# Altium PCB kunkun.PcbDoc (part 6 of 8)
Units mil, origin at the board's own origin, x right, y up, seen from the top; angles counter-clockwise.
Board outline 11417.32 x 6911.54 mil, 2 copper layers (Top Layer, Bottom Layer), stack 28 mil thick; 1172 components, 690 nets, 3402 pads, 1297 vias.
Unrouted connection lines stored in the file: 210.
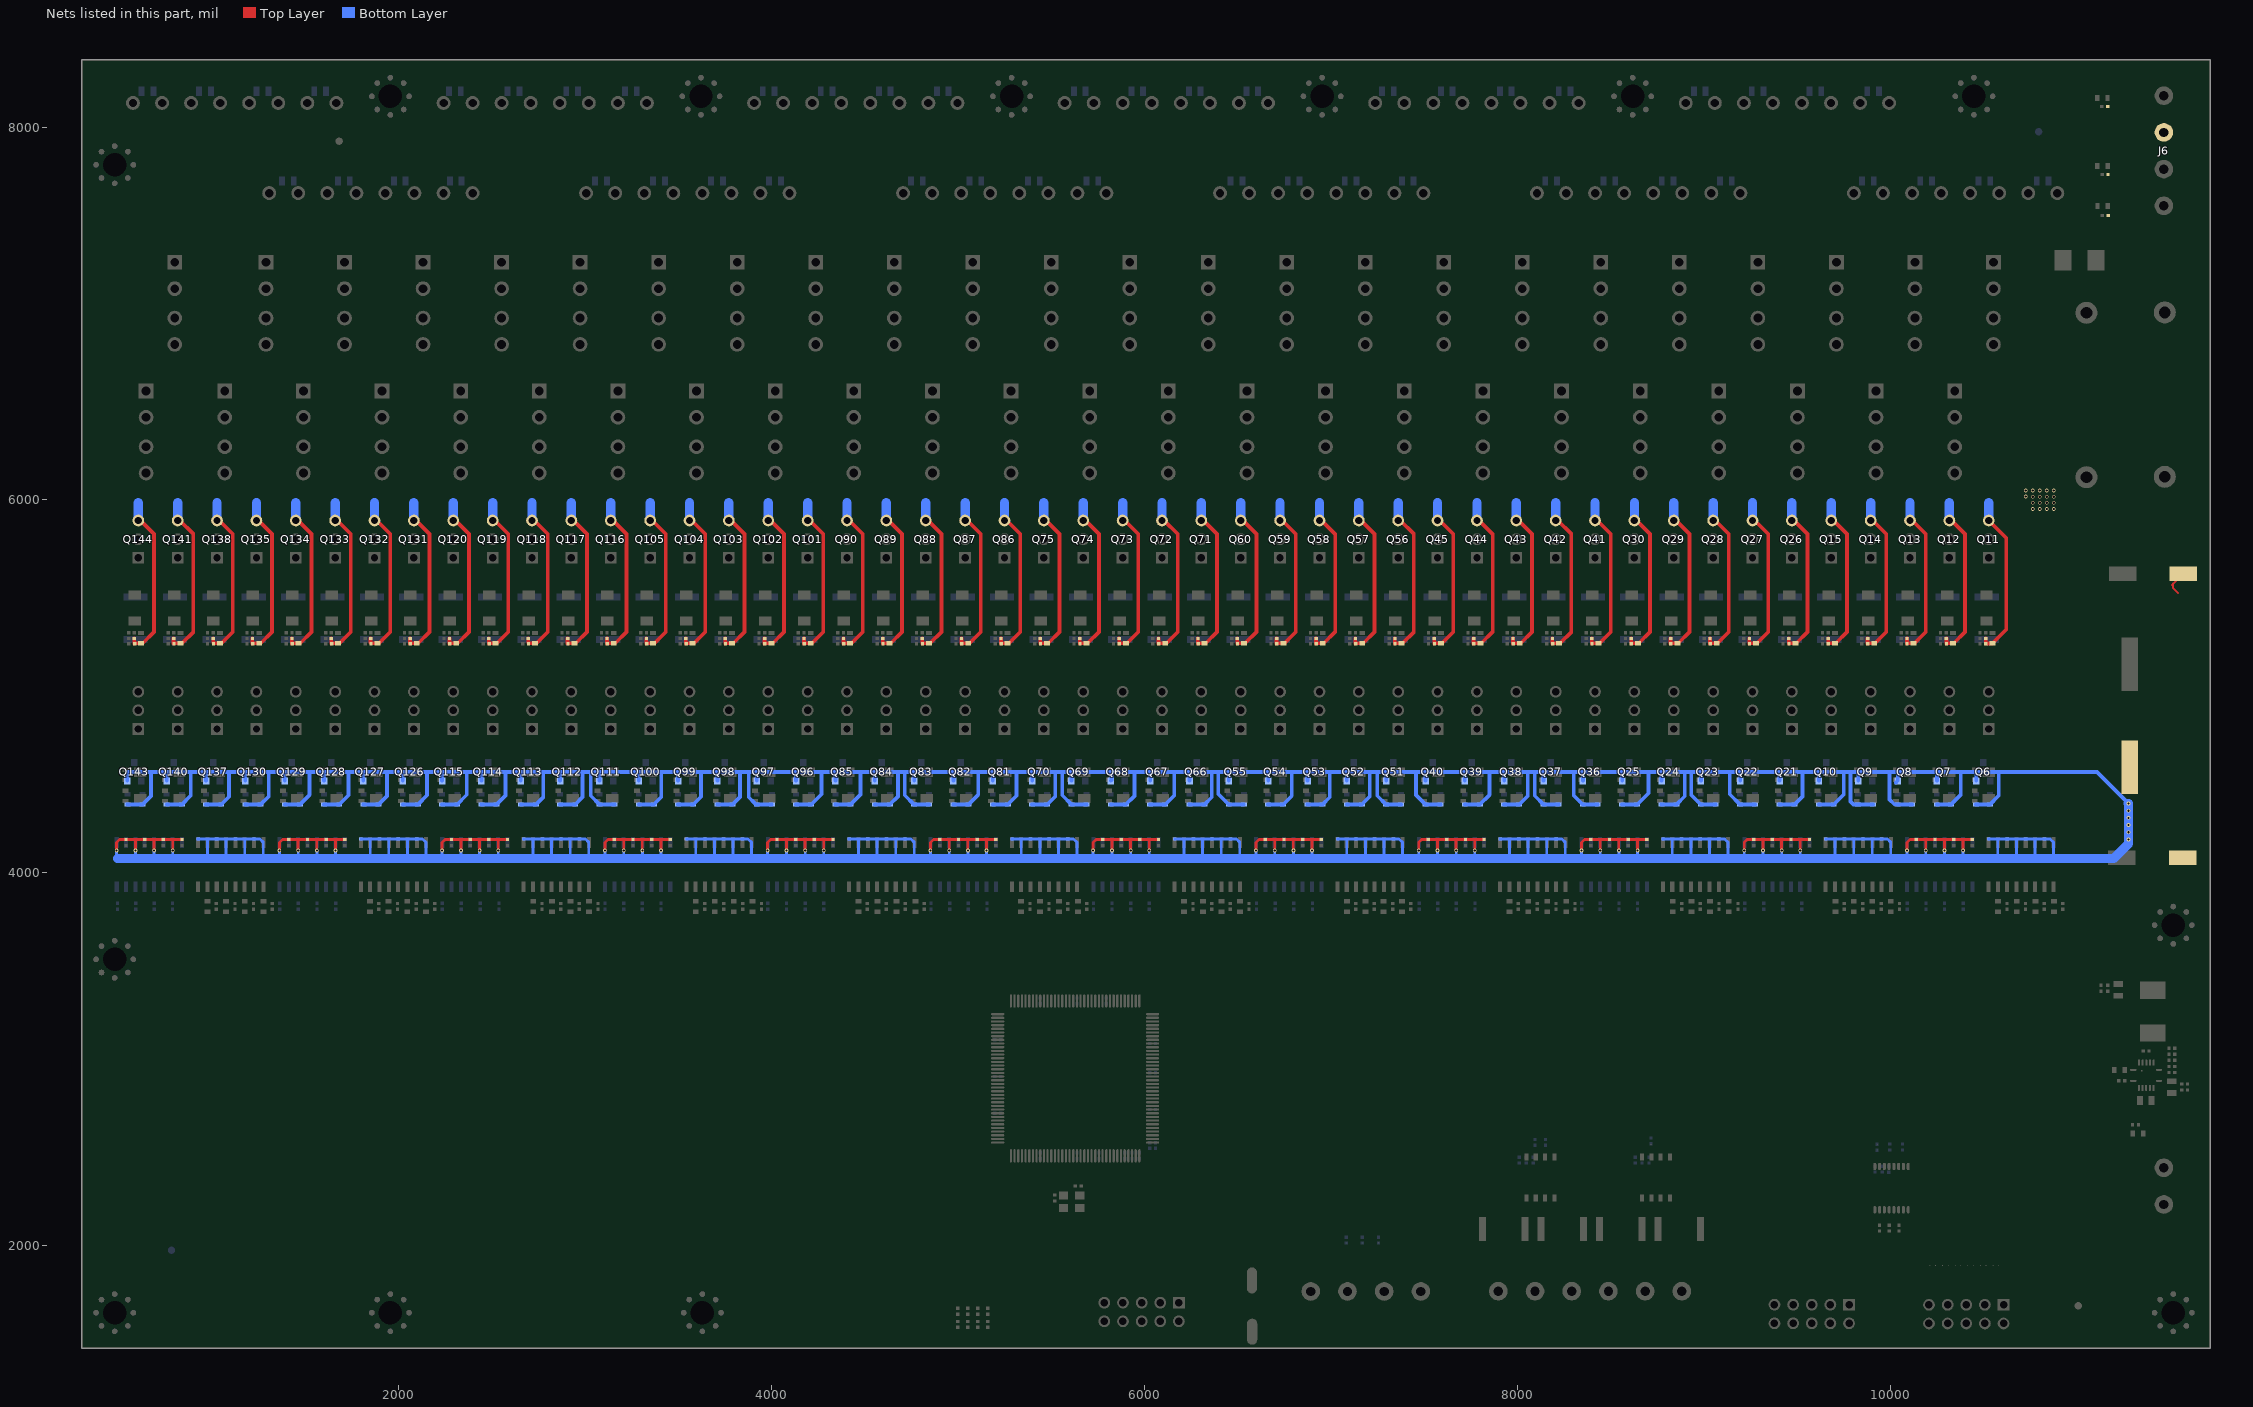
[diagram p6: the nets of this part, all layers, seen from the top]

## Via types
v1: diameter 19.68, hole 11.81, Top Layer to Bottom Layer, tented both sides, 1297 vias

## Nets (pads, with @x,y where several pads share a name; then routed paths per layer and width w, separated by ;. In a path a pad name is that pad's centre, name@x,y a point inside that pad or via, vN(x,y) a via of type N, cw(c..) or ccw(c..) an arc to the next point about the centre after c; other vN are vias at no path point) (continued)
PGND: C32.1 C33.1 C34.1 C35.1 C36.1 C37.1 C38.1 C39.1 C40.1 C41.1 C42.1 C43.1 C44.1 C45.1 C46.1 C47.1 C48.1 C49.1 C50.1 C51.1 C52.1 C53.1 C54.1 C55.1 C56.1 C57.1 C58.1 C59.1 C60.1 C61.1 C62.1 C63.1 C64.1 C65.1 C66.1 C67.1 C68.1 C69.1 C70.1 C71.1 C72.1 C73.1 C74.1 C75.1 C76.1 C77.1 C78.1 C79.1 C80.1 C81.1 C82.1 C83.1 C84.1 C85.1 C86.1 C87.1 C88.1 C89.1 C90.1 C91.1 C92.1 C93.1 C94.1 C95.1 C96.1 C97.1 C98.1 C99.1 C100.1 C101.1 C102.1 C103.1 C104.1 C105.1 C106.1 C107.1 C108.1 C109.1 C110.1 C111.1 C112.1 C113.1 C114.1 C115.1 C116.1 C117.1 C118.1 C119.1 C120.1 C121.1 C122.1 C123.1 C124.1 C125.1 C126.1 C127.1 C128.2 C129.2 C130.2 C179.1 C180.1 C181.1 C182.1 C183.1 C184.1 C185.1 C186.1 C187.1 C188.1 C189.1 C190.1 C191.1 C192.1 C193.1 C194.1 C195.1 C196.1 C197.1 C198.1 C199.1 C200.1 C201.1 C202.1 C203.1 C204.1 C205.1 C206.1 C207.1 C208.1 C209.1 C210.1 C211.1 C212.1 C213.1 C214.1 C215.1 C216.1 C217.1 C218.1 C219.1 C220.1 C221.1 C222.1 C223.1 C224.1 C225.1 C226.1 C227.1 C228.1 C229.1 C230.1 C231.1 C232.1 C233.1 C234.1 C235.1 C236.1 C237.1 C238.1 C239.1 C240.1 C241.1 C242.1 C243.1 C244.1 C245.1 C246.1 C247.1 C248.1 C249.1 C250.1 C251.1 C252.1 C253.1 C254.1 C255.1 C256.1 C257.1 C258.1 C259.1 C260.1 C261.1 C262.1 C263.1 C264.1 C265.1 C266.1 C267.1 C268.1 C269.1 C270.1 C271.1 C272.1 C273.1 C274.1 J6.3 Q6.3 Q7.3 Q8.3 Q9.3 Q10.3 Q11.3 Q12.3 Q13.3 Q14.3 Q15.3 Q21.3 Q22.3 Q23.3 Q24.3 Q25.3 Q26.3 Q27.3 Q28.3 Q29.3 Q30.3 Q36.3 Q37.3 Q38.3 Q39.3 Q40.3 Q41.3 Q42.3 Q43.3 Q44.3 Q45.3 Q51.3 Q52.3 Q53.3 Q54.3 Q55.3 Q56.3 Q57.3 Q58.3 Q59.3 Q60.3 Q66.3 Q67.3 Q68.3 Q69.3 Q70.3 Q71.3 Q72.3 Q73.3 Q74.3 Q75.3 Q81.3 Q82.3 Q83.3 Q84.3 Q85.3 Q86.3 Q87.3 Q88.3 Q89.3 Q90.3 Q96.3 Q97.3 Q98.3 Q99.3 Q100.3 Q101.3 Q102.3 Q103.3 Q104.3 Q105.3 Q111.3 Q112.3 Q113.3 Q114.3 Q115.3 Q116.3 Q117.3 Q118.3 Q119.3 Q120.3 Q126.3 Q127.3 Q128.3 Q129.3 Q130.3 Q131.3 Q132.3 Q133.3 Q134.3 Q135.3 Q137.3 Q138.3 Q140.3 Q141.3 Q143.3 Q144.3 R133.2 R134.2 R135.2 R151.1 R152.1 R153.1 R154.1 R155.1 R161.1 R162.1 R163.1 R164.1 R165.1 R166.2 R167.2 R168.2 R169.2 R170.2 R186.1 R187.1 R188.1 R189.1 R190.1 R196.1 R197.1 R198.1 R199.1 R200.1 R201.2 R202.2 R203.2 R204.2 R205.2 R221.1 R222.1 R223.1 R224.1 R225.1 R231.1 R232.1 R233.1 R234.1 R235.1 R236.2 R237.2 R238.2 R239.2 R240.2 R256.1 R257.1 R258.1 R259.1 R260.1 R266.1 R267.1 R268.1 R269.1 R270.1 R271.2 R272.2 R273.2 R274.2 R275.2 R291.1 R292.1 R293.1 R294.1 R295.1 R301.1 R302.1 R303.1 R304.1 R305.1 R306.2 R307.2 R308.2 R309.2 R310.2 R326.1 R327.1 R328.1 R329.1 R330.1 R336.1 R337.1 R338.1 R339.1 R340.1 R341.2 R342.2 R343.2 R344.2 R345.2 R361.1 R362.1 R363.1 R364.1 R365.1 R371.1 R372.1 R373.1 R374.1 R375.1 R376.2 R377.2 R378.2 R379.2 R380.2 R396.1 R397.1 R398.1 R399.1 R400.1 R406.1 R407.1 R408.1 R409.1 R410.1 R411.2 R412.2 R413.2 R414.2 R415.2 R431.1 R432.1 R433.1 R434.1 R435.1 R441.1 R442.1 R443.1 R444.1 R445.1 R446.2 R447.2 R448.2 R449.2 R450.2 R454.1 R456.1 R457.2 R461.1 R463.1 R464.2 R468.1 R470.1 R471.2 | length 97183.4
  Top Layer w10: R166.2@10512.89,5229.84 R166.2@10513.25,5229.47 ; C184.1@10546.78,5229.47 C184.1@10548.64,5231.33 ; C129.2@11280.95,4565.42 C129.2@11286.82,4571.28 ; 11511.35,5542.82 C130.2@11553.49,5584.96 ; 11517.68,5551.57 11517.68,5526.99 11544.71,5499.95
  Top Layer w15: v1(487.4,4119.42) 487.4,4162.07 503.89,4178.55 C127.1@538.14,4178.55 588.14,4178.55 ; v1(588.68,4119.42) 588.14,4119.96 588.14,4178.55 ; v1(688.68,4119.42) 688.14,4119.96 688.14,4178.55 ; v1(788.68,4119.42) 788.14,4119.96 788.14,4178.55 ; C125.1@838.14,4178.55 788.14,4178.55 ; v1(1360.37,4119.42) 1360.37,4162.07 1376.85,4178.55 C119.1@1411.11,4178.55 1461.11,4178.55 ; v1(1461.64,4119.42) 1461.11,4119.96 1461.11,4178.55 ; v1(1561.64,4119.42) 1561.11,4119.96 1561.11,4178.55 ; v1(1661.64,4119.42) 1661.11,4119.96 1661.11,4178.55 ; C116.1@1711.11,4178.55 1661.11,4178.55 ; v1(2233.33,4119.42) 2233.33,4162.07 2249.82,4178.55 C111.1@2284.07,4178.55 2334.07,4178.55 ; v1(2334.61,4119.42) 2334.07,4119.96 2334.07,4178.55 ; v1(2434.61,4119.42) 2434.07,4119.96 2434.07,4178.55 ; v1(2534.61,4119.42) 2534.07,4119.96 2534.07,4178.55 ; C108.1@2584.07,4178.55 2534.07,4178.55 ; v1(3106.29,4119.42) 3106.29,4162.07 3122.78,4178.55 C101.1@3157.03,4178.55 3207.03,4178.55 ; v1(3207.57,4119.42) 3207.03,4119.96 3207.03,4178.55 ; v1(3307.57,4119.42) 3307.03,4119.96 3307.03,4178.55 ; v1(3407.57,4119.42) 3407.03,4119.96 3407.03,4178.55 ; C102.1@3457.03,4178.55 3407.03,4178.55 ; v1(3979.26,4119.42) 3979.26,4162.07 3995.74,4178.55 C93.1@4030,4178.55 4080,4178.55 ; v1(4080.53,4119.42) 4080,4119.96 4080,4178.55 ; v1(4180.53,4119.42) 4180,4119.96 4180,4178.55 ; v1(4280.53,4119.42) 4280,4119.96 4280,4178.55 ; C94.1@4330,4178.55 4280,4178.55 ; v1(4852.22,4119.42) 4852.22,4162.07 4868.71,4178.55 C85.1@4902.96,4178.55 4952.96,4178.55 ; v1(4953.5,4119.42) 4952.96,4119.96 4952.96,4178.55 ; v1(5053.5,4119.42) 5052.96,4119.96 5052.96,4178.55 ; v1(5153.5,4119.42) 5152.96,4119.96 5152.96,4178.55 ; C86.1@5202.96,4178.55 5152.96,4178.55 ; v1(5725.18,4119.42) 5725.18,4162.07 5741.67,4178.55 C77.1@5775.92,4178.55 5825.92,4178.55 ; v1(5826.46,4119.42) 5825.92,4119.96 5825.92,4178.55 ; v1(5926.46,4119.42) 5925.92,4119.96 5925.92,4178.55 ; v1(6026.46,4119.42) 6025.92,4119.96 6025.92,4178.55 ; C78.1@6075.92,4178.55 6025.92,4178.55 ; v1(6598.15,4119.42) 6598.15,4162.07 6614.63,4178.55 C69.1@6648.89,4178.55 6698.89,4178.55 ; v1(6699.42,4119.42) 6698.89,4119.96 6698.89,4178.55 ; v1(6799.42,4119.42) 6798.89,4119.96 6798.89,4178.55 ; v1(6899.42,4119.42) 6898.89,4119.96 6898.89,4178.55 ; C70.1@6948.89,4178.55 6898.89,4178.55 ; v1(7471.11,4119.42) 7471.11,4162.07 7487.6,4178.55 C61.1@7521.85,4178.55 7571.85,4178.55 ; v1(7572.39,4119.42) 7571.85,4119.96 7571.85,4178.55 ; v1(7672.39,4119.42) 7671.85,4119.96 7671.85,4178.55 ; v1(7772.39,4119.42) 7771.85,4119.96 7771.85,4178.55 ; C62.1@7821.85,4178.55 7771.85,4178.55 ; v1(8344.07,4119.42) 8344.07,4162.07 8360.56,4178.55 C53.1@8394.81,4178.55 8444.81,4178.55 ; v1(8445.35,4119.42) 8444.81,4119.96 8444.81,4178.55 ; v1(8545.35,4119.42) 8544.81,4119.96 8544.81,4178.55 ; v1(8645.35,4119.42) 8644.81,4119.96 8644.81,4178.55 ; C54.1@8694.81,4178.55 8644.81,4178.55 ; v1(9217.04,4119.42) 9217.04,4162.07 9233.52,4178.55 C45.1@9267.78,4178.55 9317.78,4178.55 ; v1(9318.31,4119.42) 9317.78,4119.96 9317.78,4178.55 ; v1(9418.31,4119.42) 9417.78,4119.96 9417.78,4178.55 ; v1(9518.31,4119.42) 9517.78,4119.96 9517.78,4178.55 ; C46.1@9567.78,4178.55 9517.78,4178.55 ; v1(10090,4119.42) 10090,4162.07 10106.49,4178.55 C36.1@10140.74,4178.55 10190.74,4178.55 ; v1(10191.28,4119.42) 10190.74,4119.96 10190.74,4178.55 ; v1(10291.28,4119.42) 10290.74,4119.96 10290.74,4178.55 ; v1(10391.28,4119.42) 10390.74,4119.96 10390.74,4178.55 ; C38.1@10440.74,4178.55 10390.74,4178.55 ; 588.14,4178.55 C126.1@638.14,4178.55 688.14,4178.55 ; 688.14,4178.55 C124.1@738.14,4178.55 788.14,4178.55 ; 1461.11,4178.55 C118.1@1511.11,4178.55 1561.11,4178.55 ; 1561.11,4178.55 C117.1@1611.11,4178.55 1661.11,4178.55 ; 2334.07,4178.55 C110.1@2384.07,4178.55 2434.07,4178.55 ; 2434.07,4178.55 C109.1@2484.07,4178.55 2534.07,4178.55 ; 3207.03,4178.55 C100.1@3257.03,4178.55 3307.03,4178.55 ; 3307.03,4178.55 C103.1@3357.03,4178.55 3407.03,4178.55 ; 4080,4178.55 C92.1@4130,4178.55 4180,4178.55 ; 4180,4178.55 C95.1@4230,4178.55 4280,4178.55 ; 4952.96,4178.55 C84.1@5002.96,4178.55 5052.96,4178.55 ; 5052.96,4178.55 C87.1@5102.96,4178.55 5152.96,4178.55 ; 5825.92,4178.55 C76.1@5875.92,4178.55 5925.92,4178.55 ; 5925.92,4178.55 C79.1@5975.92,4178.55 6025.92,4178.55 ; 6698.89,4178.55 C68.1@6748.89,4178.55 6798.89,4178.55 ; 6798.89,4178.55 C71.1@6848.89,4178.55 6898.89,4178.55 ; 7571.85,4178.55 C60.1@7621.85,4178.55 7671.85,4178.55 ; 7671.85,4178.55 C63.1@7721.85,4178.55 7771.85,4178.55 ; 8444.81,4178.55 C52.1@8494.81,4178.55 8544.81,4178.55 ; 8544.81,4178.55 C55.1@8594.81,4178.55 8644.81,4178.55 ; 9317.78,4178.55 C44.1@9367.78,4178.55 9417.78,4178.55 ; 9417.78,4178.55 C47.1@9467.78,4178.55 9517.78,4178.55 ; 10190.74,4178.55 C37.1@10240.74,4178.55 10290.74,4178.55 ; 10290.74,4178.55 C39.1@10340.74,4178.55 10390.74,4178.55
  Top Layer w20: R471.2@581.68,5230.63 R470.1@581.68,5256.97 ; R471.2@584.7,5231.33 C274.1@617.55,5231.33 ; Q144.3@615.48,5889.64 687.99,5817.12 687.99,5291.85 C274.1@627.47,5231.33 ; R464.2@792.96,5230.6 R463.1@792.96,5256.97 ; R464.2@793.8,5231.33 C272.1@827.31,5231.33 ; Q141.3@826.65,5889.64 899.16,5817.12 899.16,5291.85 C272.1@838.64,5231.33 ; R456.1@1005.24,5256.97 1005.24,5234.17 1008.08,5231.33 C270.1@1040.21,5231.33 ; Q138.3@1037.82,5889.64 1110.33,5817.12 1110.33,5291.85 C270.1@1049.81,5231.33 ; R450.2@1215.62,5230.6 R445.1@1215.62,5256.97 ; R450.2@1216.47,5231.33 C268.1@1249.97,5231.33 ; Q135.3@1248.99,5889.64 1321.5,5817.12 1321.5,5291.85 C268.1@1260.98,5231.33 ; R449.2@1427,5230.63 R444.1@1427,5256.97 ; R449.2@1430.03,5231.33 C267.1@1462.87,5231.33 ; Q134.3@1460.16,5889.64 1532.67,5817.12 1532.67,5291.85 C267.1@1472.15,5231.33 ; R448.2@1638.28,5230.6 R443.1@1638.28,5256.97 ; R448.2@1639.13,5231.33 C266.1@1672.63,5231.33 ; Q133.3@1671.33,5889.64 1743.84,5817.12 1743.84,5291.85 C266.1@1683.32,5231.33 ; R442.1@1849.67,5256.97 1849.67,5234.75 1853.08,5231.33 C265.1@1885.54,5231.33 ; Q132.3@1882.5,5889.64 1955.01,5817.12 1955.01,5291.85 C265.1@1894.49,5231.33 ; R446.2@2060.95,5230.6 R441.1@2060.95,5256.97 ; R446.2@2061.79,5231.33 C264.1@2095.29,5231.33 ; Q131.3@2093.67,5889.64 2166.18,5817.12 2166.18,5291.85 C264.1@2105.66,5231.33 ; R415.2@2272.33,5230.63 R410.1@2272.33,5256.97 ; R415.2@2275.35,5231.33 C258.1@2308.2,5231.33 ; Q120.3@2304.84,5889.64 2377.35,5817.12 2377.35,5291.85 C258.1@2316.83,5231.33 ; R414.2@2483.61,5230.6 R409.1@2483.61,5256.97 ; R414.2@2484.45,5231.33 C257.1@2517.96,5231.33 ; Q119.3@2516.01,5889.64 2588.52,5817.12 2588.52,5291.85 C257.1@2528,5231.33 ; R408.1@2694.99,5256.97 2694.99,5234.43 2698.09,5231.33 C256.1@2730.86,5231.33 ; Q118.3@2727.18,5889.64 2799.69,5817.12 2799.69,5291.85 C256.1@2739.17,5231.33 ; R412.2@2906.27,5230.6 R407.1@2906.27,5256.97 ; R412.2@2907.11,5231.33 C255.1@2940.62,5231.33 ; Q117.3@2938.35,5889.64 3010.86,5817.12 3010.86,5291.85 C255.1@2950.34,5231.33 ; R411.2@3117.65,5230.63 R406.1@3117.65,5256.97 ; R411.2@3120.67,5231.33 C254.1@3153.52,5231.33 ; Q116.3@3149.52,5889.64 3222.03,5817.12 3222.03,5291.85 C254.1@3161.51,5231.33 ; R380.2@3328.93,5230.6 R375.1@3328.93,5256.97 ; R380.2@3329.78,5231.33 C248.1@3363.28,5231.33 ; Q105.3@3360.69,5889.64 3433.2,5817.12 3433.2,5291.85 C248.1@3372.68,5231.33 ; R379.2@3540.31,5230.63 R374.1@3540.31,5256.97 ; R379.2@3543.34,5231.33 C247.1@3576.18,5231.33 ; Q104.3@3571.86,5889.64 3644.37,5817.12 3644.37,5291.85 C247.1@3583.85,5231.33 ; R378.2@3751.59,5230.6 R373.1@3751.59,5256.97 ; R378.2@3752.44,5231.33 C246.1@3785.94,5231.33 ; Q103.3@3783.03,5889.64 3855.54,5817.12 3855.54,5291.85 C246.1@3795.02,5231.33 ; R377.2@3962.98,5230.63 R372.1@3962.98,5256.97 ; R377.2@3966,5231.33 C245.1@3998.85,5231.33 ; Q102.3@3994.2,5889.64 4066.71,5817.12 4066.71,5291.85 C245.1@4006.19,5231.33 ; R376.2@4174.26,5230.6 R371.1@4174.26,5256.97 ; R376.2@4175.1,5231.33 C244.1@4208.6,5231.33 ; Q101.3@4205.37,5889.64 4277.88,5817.12 4277.88,5291.85 C244.1@4217.36,5231.33 ; R345.2@4385.64,5230.63 R340.1@4385.64,5256.97 ; R345.2@4388.66,5231.33 C238.1@4421.51,5231.33 ; Q90.3@4416.54,5889.64 4489.05,5817.12 4489.05,5291.85 C238.1@4428.53,5231.33 ; R344.2@4596.92,5230.6 R339.1@4596.92,5256.97 ; R344.2@4597.76,5231.33 C237.1@4631.27,5231.33 ; Q89.3@4627.71,5889.64 4700.22,5817.12 4700.22,5291.85 C237.1@4639.71,5231.33 ; R343.2@4808.3,5230.63 R338.1@4808.3,5256.92 ; R343.2@4809.46,5229.47 4811.32,5231.33 C236.1@4844.17,5231.33 ; Q88.3@4838.88,5889.64 4911.39,5817.12 4911.39,5291.85 C236.1@4850.88,5231.33 ; R342.2@5019.58,5230.6 R337.1@5019.58,5256.92 ; R342.2@5020.42,5231.33 C235.1@5053.93,5231.33 ; Q87.3@5050.05,5889.64 5122.56,5817.12 5122.56,5291.85 C235.1@5062.05,5231.33 ; R341.2@5230.86,5230.58 R336.1@5230.86,5256.97 ; R341.2@5231.76,5231.33 C234.1@5265.26,5231.33 ; Q86.3@5261.22,5889.64 5333.73,5817.12 5333.73,5291.85 C234.1@5273.22,5231.33 ; R310.2@5442.14,5230.55 R305.1@5442.14,5256.97 ; R310.2@5443.09,5231.33 C228.1@5476.59,5231.33 ; Q75.3@5472.39,5889.64 5544.9,5817.12 5544.9,5291.85 C228.1@5484.39,5231.33 ; R309.2@5653.42,5230.52 R304.1@5653.42,5256.97 ; R309.2@5654.42,5231.33 C227.1@5687.92,5231.33 ; Q74.3@5683.56,5889.64 5756.07,5817.12 5756.07,5291.85 C227.1@5695.56,5231.33 ; R303.1@5863.5,5256.97 R303.1@5864.71,5256.97 ; R308.2@5864.71,5230.49 R303.1@5864.71,5256.97 ; R303.1@5865.85,5256.97 R303.1@5864.71,5256.97 ; R308.2@5866.86,5231.33 C226.1@5899.25,5231.33 ; Q73.3@5894.73,5889.64 5967.24,5817.12 5967.24,5291.85 C226.1@5906.73,5231.33 ; R307.2@6075.99,5230.46 R302.1@6075.99,5256.97 ; R307.2@6077.08,5231.33 C225.1@6110.58,5231.33 ; Q72.3@6105.9,5889.64 6178.41,5817.12 6178.41,5291.85 C225.1@6117.9,5231.33 ; R306.2@6286.16,5229.86 R301.1@6286.16,5256.97 ; R306.2@6288.41,5231.33 C224.1@6321.91,5231.33 ; Q71.3@6317.07,5889.64 6389.58,5817.12 6389.58,5291.85 C224.1@6329.07,5231.33 ; R275.2@6497.49,5229.86 R270.1@6497.49,5256.97 ; R275.2@6499.74,5231.33 C218.1@6533.24,5231.33 ; Q60.3@6528.24,5889.64 6600.75,5817.12 6600.75,5291.85 C218.1@6540.24,5231.33 ; R274.2@6708.82,5229.86 R269.1@6708.82,5256.97 ; R274.2@6711.07,5231.33 C217.1@6744.58,5231.33 ; Q59.3@6739.41,5889.64 6811.93,5817.12 6811.93,5291.85 C217.1@6751.41,5231.33 ; R273.2@6920.15,5229.86 R268.1@6920.15,5256.97 ; R273.2@6922.4,5231.33 C216.1@6955.91,5231.33 ; Q58.3@6950.58,5889.64 7023.1,5817.12 7023.1,5291.85 C216.1@6962.58,5231.33 ; R272.2@7131.48,5229.86 R267.1@7131.48,5256.97 ; R272.2@7133.73,5231.33 C215.1@7167.24,5231.33 ; Q57.3@7161.75,5889.64 7234.27,5817.12 7234.27,5291.85 C215.1@7173.75,5231.33 ; R271.2@7342.81,5229.86 R266.1@7342.81,5256.97 ; R271.2@7345.07,5231.33 C214.1@7378.57,5231.33 ; Q56.3@7372.92,5889.64 7445.44,5817.12 7445.44,5291.85 C214.1@7384.92,5231.33 ; R240.2@7554.14,5229.86 R235.1@7554.14,5256.97 ; R240.2@7556.4,5231.33 C208.1@7589.9,5231.33 ; Q45.3@7584.09,5889.64 7656.61,5817.12 7656.61,5291.85 C208.1@7596.09,5231.33 ; R239.2@7765.48,5229.86 R234.1@7765.48,5256.97 ; R239.2@7767.73,5231.33 C207.1@7801.23,5231.33 ; Q44.3@7795.26,5889.64 7867.78,5817.12 7867.78,5291.85 C207.1@7807.26,5231.33 ; R238.2@7976.81,5229.86 R233.1@7976.81,5256.97 ; R238.2@7979.06,5231.33 C206.1@8012.56,5231.33 ; Q43.3@8006.43,5889.64 8078.95,5817.12 8078.95,5291.85 C206.1@8018.43,5231.33 ; R237.2@8188.14,5229.86 R232.1@8188.14,5256.97 ; R237.2@8190.39,5231.33 C205.1@8223.89,5231.33 ; Q42.3@8217.6,5889.64 8290.12,5817.12 8290.12,5291.85 C205.1@8229.6,5231.33 ; R236.2@8399.47,5229.86 R231.1@8399.47,5256.97 ; R236.2@8401.72,5231.33 C204.1@8435.22,5231.33 ; Q41.3@8428.77,5889.64 8501.29,5817.12 8501.29,5291.85 C204.1@8440.77,5231.33 ; R205.2@8610.8,5229.86 R200.1@8610.8,5256.97 ; R205.2@8613.05,5231.33 C198.1@8646.55,5231.33 ; Q30.3@8639.94,5889.64 8712.46,5817.12 8712.46,5291.85 C198.1@8651.94,5231.33 ; R204.2@8822.13,5229.86 R199.1@8822.13,5256.97 ; R204.2@8824.38,5231.33 C197.1@8857.89,5231.33 ; Q29.3@8851.11,5889.64 8923.63,5817.12 8923.63,5291.85 C197.1@8863.11,5231.33 ; R203.2@9033.46,5229.86 R198.1@9033.46,5256.97 ; R203.2@9035.71,5231.33 C196.1@9069.22,5231.33 ; Q28.3@9062.28,5889.64 9134.8,5817.12 9134.8,5291.85 C196.1@9074.28,5231.33 ; R202.2@9244.79,5229.86 R197.1@9244.79,5256.97 ; R202.2@9247.04,5231.33 C195.1@9280.55,5231.33 ; Q27.3@9273.45,5889.64 9345.97,5817.12 9345.97,5291.85 C195.1@9285.45,5231.33 ; R201.2@9456.12,5229.86 R196.1@9456.12,5256.97 ; R201.2@9458.38,5231.33 C194.1@9491.88,5231.33 ; Q26.3@9484.62,5889.64 9557.14,5817.12 9557.14,5291.85 C194.1@9496.62,5231.33 ; R170.2@9667.45,5229.86 R165.1@9667.45,5256.97 ; R170.2@9669.71,5231.33 C188.1@9703.21,5231.33 ; Q15.3@9695.79,5889.64 9768.31,5817.12 9768.31,5291.85 C188.1@9707.79,5231.33 ; R169.2@9878.79,5229.86 R164.1@9878.79,5256.97 ; R169.2@9881.04,5231.33 C187.1@9914.54,5231.33 ; Q14.3@9906.96,5889.64 9979.48,5817.12 9979.48,5291.85 C187.1@9918.96,5231.33 ; R168.2@10090.12,5229.86 R163.1@10090.12,5256.97 ; R168.2@10092.37,5231.33 C186.1@10125.87,5231.33 ; Q13.3@10118.13,5889.64 10190.65,5817.12 10190.65,5291.85 C186.1@10130.13,5231.33 ; R162.1@10301.61,5256.97 10301.61,5229.86 R167.2@10302,5229.47 10303.86,5231.33 C185.1@10341.3,5231.33 ; Q12.3@10317.67,5889.64 10329.31,5889.64 10401.82,5817.12 10401.82,5291.85 C185.1@10341.3,5231.33 ; C185.1@10337.36,5231.33 C185.1@10341.3,5231.33 ; R166.2@10512.89,5229.84 R161.1@10512.89,5256.97 ; R166.2@10513.25,5229.47 C184.1@10546.78,5229.47 ; Q11.3@10528.84,5889.64 10622.84,5795.63 10622.84,5305.53 C184.1@10548.64,5231.33
  Top Layer w50: C129.2@11280.95,4454.26 C129.2@11280.95,4565.42
  Bottom Layer w15: 487.4,4081.89 v1(487.4,4119.42) ; 588.68,4078.87 v1(588.68,4119.42) ; 688.68,4078.79 v1(688.68,4119.42) ; 788.68,4080.62 v1(788.68,4119.42) ; C123.1@924.62,4181.8 974.62,4181.8 ; 974.62,4080.07 974.62,4181.8 ; 1074.62,4079.33 1074.62,4181.8 ; 1174.62,4078.12 1174.62,4181.8 ; 1273.65,4077.01 1273.65,4163.77 1255.63,4181.8 C120.1@1224.62,4181.8 1174.62,4181.8 ; 1360.37,4081.89 v1(1360.37,4119.42) ; 1461.64,4078.87 v1(1461.64,4119.42) ; 1561.64,4078.79 v1(1561.64,4119.42) ; 1661.64,4080.62 v1(1661.64,4119.42) ; C115.1@1797.59,4181.8 1847.59,4181.8 ; 1847.59,4080.07 1847.59,4181.8 ; 1947.59,4079.33 1947.59,4181.8 ; 2047.59,4078.12 2047.59,4181.8 ; 2146.62,4077.01 2146.62,4163.77 2128.59,4181.8 C112.1@2097.59,4181.8 2047.59,4181.8 ; 2233.33,4081.89 v1(2233.33,4119.42) ; 2334.61,4078.87 v1(2334.61,4119.42) ; 2434.61,4078.79 v1(2434.61,4119.42) ; 2534.61,4080.62 v1(2534.61,4119.42) ; C107.1@2670.55,4181.8 2720.55,4181.8 ; 2720.55,4080.07 2720.55,4181.8 ; 2820.55,4079.33 2820.55,4181.8 ; 2920.55,4078.12 2920.55,4181.8 ; 3019.58,4077.01 3019.58,4163.77 3001.56,4181.8 C104.1@2970.55,4181.8 2920.55,4181.8 ; 3106.29,4081.89 v1(3106.29,4119.42) ; 3207.57,4078.87 v1(3207.57,4119.42) ; 3307.57,4078.79 v1(3307.57,4119.42) ; 3407.57,4080.62 v1(3407.57,4119.42) ; C99.1@3543.51,4181.8 3593.51,4181.8 ; 3593.51,4080.07 3593.51,4181.8 ; 3693.51,4079.33 3693.51,4181.8 ; 3793.51,4078.12 3793.51,4181.8 ; 3892.54,4077.01 3892.54,4163.77 3874.52,4181.8 C96.1@3843.51,4181.8 3793.51,4181.8 ; 3979.26,4081.89 v1(3979.26,4119.42) ; 4080.53,4078.87 v1(4080.53,4119.42) ; 4180.53,4078.79 v1(4180.53,4119.42) ; 4280.53,4080.62 v1(4280.53,4119.42) ; C91.1@4416.48,4181.8 4466.48,4181.8 ; 4466.48,4080.07 4466.48,4181.8 ; 4566.48,4079.33 4566.48,4181.8 ; 4666.48,4078.12 4666.48,4181.8 ; 4765.51,4077.01 4765.51,4163.77 4747.48,4181.8 C88.1@4716.48,4181.8 4666.48,4181.8 ; 4852.22,4081.89 v1(4852.22,4119.42) ; 4953.5,4078.87 v1(4953.5,4119.42) ; 5053.5,4078.79 v1(5053.5,4119.42) ; 5153.5,4080.62 v1(5153.5,4119.42) ; C83.1@5289.44,4181.8 5339.44,4181.8 ; 5339.44,4080.07 5339.44,4181.8 ; 5439.44,4079.33 5439.44,4181.8 ; 5539.44,4078.12 5539.44,4181.8 ; 5638.47,4077.01 5638.47,4163.77 5620.45,4181.8 C80.1@5589.44,4181.8 5539.44,4181.8 ; 5725.18,4081.89 v1(5725.18,4119.42) ; 5826.46,4078.87 v1(5826.46,4119.42) ; 5926.46,4078.79 v1(5926.46,4119.42) ; 6026.46,4080.62 v1(6026.46,4119.42) ; C75.1@6162.4,4181.8 6212.4,4181.8 ; 6212.4,4080.07 6212.4,4181.8 ; 6312.4,4079.33 6312.4,4181.8 ; 6412.4,4078.12 6412.4,4181.8 ; 6511.44,4077.01 6511.44,4163.77 6493.41,4181.8 C72.1@6462.4,4181.8 6412.4,4181.8 ; 6598.15,4081.89 v1(6598.15,4119.42) ; 6699.42,4078.87 v1(6699.42,4119.42) ; 6799.42,4078.79 v1(6799.42,4119.42) ; 6899.42,4080.62 v1(6899.42,4119.42) ; C67.1@7035.37,4181.8 7085.37,4181.8 ; 7085.37,4080.07 7085.37,4181.8 ; 7185.37,4079.33 7185.37,4181.8 ; 7285.37,4078.12 7285.37,4181.8 ; 7384.4,4077.01 7384.4,4163.77 7366.37,4181.8 C64.1@7335.37,4181.8 7285.37,4181.8 ; 7471.11,4081.89 v1(7471.11,4119.42) ; 7572.39,4078.87 v1(7572.39,4119.42) ; 7672.39,4078.79 v1(7672.39,4119.42) ; 7772.39,4080.62 v1(7772.39,4119.42) ; C59.1@7908.33,4181.8 7958.33,4181.8 ; 7958.33,4080.07 7958.33,4181.8 ; 8058.33,4079.33 8058.33,4181.8 ; 8158.33,4078.12 8158.33,4181.8 ; 8257.36,4077.01 8257.36,4163.77 8239.34,4181.8 C56.1@8208.33,4181.8 8158.33,4181.8 ; 8344.07,4081.89 v1(8344.07,4119.42) ; 8445.35,4078.87 v1(8445.35,4119.42) ; 8545.35,4078.79 v1(8545.35,4119.42) ; 8645.35,4080.62 v1(8645.35,4119.42) ; C51.1@8781.29,4181.8 8831.29,4181.8 ; 8831.29,4080.07 8831.29,4181.8 ; 8931.29,4079.33 8931.29,4181.8 ; 9031.29,4078.12 9031.29,4181.8 ; 9130.33,4077.01 9130.33,4163.77 9112.3,4181.8 C48.1@9081.29,4181.8 9031.29,4181.8 ; 9217.04,4081.89 v1(9217.04,4119.42) ; 9318.31,4078.87 v1(9318.31,4119.42) ; 9418.31,4078.79 v1(9418.31,4119.42) ; 9518.31,4080.62 v1(9518.31,4119.42) ; C43.1@9654.26,4181.8 9704.26,4181.8 ; 9704.26,4080.07 9704.26,4181.8 ; 9804.26,4079.33 9804.26,4181.8 ; 9904.26,4078.12 9904.26,4181.8 ; 10003.29,4077.01 10003.29,4163.77 9985.26,4181.8 C40.1@9954.26,4181.8 9904.26,4181.8 ; 10085.12,4077.01 10090,4081.89 v1(10090,4119.42) ; 10189.42,4077.01 10191.28,4078.87 v1(10191.28,4119.42) ; 10251,4539.85 10251.55,4540.4 ; 10289.5,4077.01 10291.28,4078.79 v1(10291.28,4119.42) ; 10387.66,4077.01 10391.28,4080.62 v1(10391.28,4119.42) ; C35.1@10527.22,4181.8 10577.22,4181.8 ; 10574.15,4077.01 10577.22,4080.07 10577.22,4181.8 ; 10674.9,4077.01 10677.22,4079.33 10677.22,4181.8 ; 10776.11,4077.01 10777.22,4078.12 10777.22,4181.8 ; 10876.25,4077.01 10876.25,4163.77 10858.23,4181.8 C32.1@10827.22,4181.8 10777.22,4181.8 ; 974.62,4181.8 C122.1@1024.62,4181.8 1074.62,4181.8 ; 1074.62,4181.8 C121.1@1124.62,4181.8 1174.62,4181.8 ; 1847.59,4181.8 C114.1@1897.59,4181.8 1947.59,4181.8 ; 1947.59,4181.8 C113.1@1997.59,4181.8 2047.59,4181.8 ; 2720.55,4181.8 C106.1@2770.55,4181.8 2820.55,4181.8 ; 2820.55,4181.8 C105.1@2870.55,4181.8 2920.55,4181.8 ; 3593.51,4181.8 C98.1@3643.51,4181.8 3693.51,4181.8 ; 3693.51,4181.8 C97.1@3743.51,4181.8 3793.51,4181.8 ; 4466.48,4181.8 C90.1@4516.48,4181.8 4566.48,4181.8 ; 4566.48,4181.8 C89.1@4616.48,4181.8 4666.48,4181.8 ; 5339.44,4181.8 C82.1@5389.44,4181.8 5439.44,4181.8 ; 5439.44,4181.8 C81.1@5489.44,4181.8 5539.44,4181.8 ; 6212.4,4181.8 C74.1@6262.4,4181.8 6312.4,4181.8 ; 6312.4,4181.8 C73.1@6362.4,4181.8 6412.4,4181.8 ; 7085.37,4181.8 C66.1@7135.37,4181.8 7185.37,4181.8 ; 7185.37,4181.8 C65.1@7235.37,4181.8 7285.37,4181.8 ; 7958.33,4181.8 C58.1@8008.33,4181.8 8058.33,4181.8 ; 8058.33,4181.8 C57.1@8108.33,4181.8 8158.33,4181.8 ; 8831.29,4181.8 C50.1@8881.29,4181.8 8931.29,4181.8 ; 8931.29,4181.8 C49.1@8981.29,4181.8 9031.29,4181.8 ; 9704.26,4181.8 C42.1@9754.26,4181.8 9804.26,4181.8 ; 9804.26,4181.8 C41.1@9854.26,4181.8 9904.26,4181.8 ; 10577.22,4181.8 C34.1@10627.22,4181.8 10677.22,4181.8 ; 10677.22,4181.8 C33.1@10727.22,4181.8 10777.22,4181.8
  Bottom Layer w20: Q143.3@545,4493.59 545,4539.67 544.26,4540.4 672.07,4540.4 ; R468.1@545.07,4366.62 C273.1@626.57,4366.62 672.07,4412.12 672.07,4540.4 ; Q140.3@756,4493.59 756,4540.13 756.27,4540.4 ; R461.1@756.04,4366.62 C271.1@837.53,4366.62 885.24,4414.33 885.24,4540.4 ; R454.1@967.01,4366.62 C269.1@1048.49,4366.62 1090.41,4408.55 1090.41,4540.4 ; Q137.3@967,4493.59 967,4538.5 968.91,4540.4 ; R435.1@1177.98,4366.62 C263.1@1259.44,4366.62 1304.11,4411.29 1304.11,4540.4 ; Q130.3@1178,4493.59 1178,4539.15 1176.74,4540.4 ; R434.1@1388.95,4366.62 C262.1@1470.4,4366.62 1521.9,4418.12 1521.9,4540.4 ; Q129.3@1389,4493.59 1389,4535.8 1393.6,4540.4 ; R433.1@1599.92,4366.62 C261.1@1681.36,4366.62 1731.25,4416.51 1731.25,4540.4 ; Q128.3@1600,4493.59 1600,4536.52 1603.88,4540.4 ; R432.1@1810.89,4366.62 C260.1@1892.31,4366.62 1938.28,4412.59 1938.28,4540.4 ; Q127.3@1811,4493.59 1811,4537.54 1808.13,4540.4 ; R431.1@2021.86,4366.62 C259.1@2103.27,4366.62 2152.73,4416.07 2152.73,4540.4 ; Q126.3@2022,4493.59 2022,4531.95 2030.45,4540.4 ; R400.1@2232.83,4366.62 C253.1@2314.23,4366.62 2365.99,4418.38 2365.99,4540.4 ; Q115.3@2233,4493.59 2233,4539.24 2234.16,4540.4 ; R399.1@2443.8,4366.62 C252.1@2525.19,4366.62 2573.31,4414.74 2573.31,4540.4 ; Q114.3@2444,4493.59 2444,4537.13 2440.73,4540.4 ; R398.1@2654.78,4366.62 C251.1@2736.14,4366.62 2776.49,4406.97 2776.49,4540.4 ; Q113.3@2655,4493.59 2655,4537.21 2651.8,4540.4 ; R397.1@2865.75,4366.62 C250.1@2947.1,4366.62 2986.82,4406.34 2986.82,4540.4 ; Q112.3@2866,4493.59 2866,4539.39 2867.01,4540.4 ; Q111.3@3077,4493.59 3077,4539.58 3076.18,4540.4 ; C249.1@3158.06,4366.62 R396.1@3076.72,4366.62 3030.07,4413.27 3030.07,4540.4 ; R365.1@3287.69,4366.62 C243.1@3369.02,4366.62 3408.98,4406.58 3408.98,4540.4 ; Q100.3@3288,4493.59 3288,4535.47 3283.07,4540.4 ; R364.1@3498.66,4366.62 C242.1@3579.97,4366.62 3621.94,4408.58 3621.94,4540.4 ; Q99.3@3499,4493.59 3499,4539.23 3500.17,4540.4 ; R363.1@3709.63,4366.62 C241.1@3790.93,4366.62 3831.59,4407.27 3831.59,4540.4 ; Q98.3@3710,4493.59 3710,4535.81 3705.4,4540.4 ; Q97.3@3921,4493.59 3921,4539.52 3920.11,4540.4 ; C240.1@4001.89,4366.62 R362.1@3920.6,4366.62 3916.66,4366.62 3908.66,4374.62 3877.54,4405.74 3877.54,4540.4 ; R361.1@4131.57,4366.62 C239.1@4212.84,4366.62 4268.17,4421.94 4268.17,4540.4 ; Q96.3@4132,4493.59 4132,4538.92 4133.48,4540.4 ; R330.1@4342.54,4366.62 C233.1@4423.8,4366.62 4476.97,4419.78 4476.97,4540.4 ; Q85.3@4343,4493.59 4343,4538.29 4340.89,4540.4 ; R329.1@4553.51,4366.62 C232.1@4634.76,4366.62 4678.18,4410.04 4678.18,4540.4 ; Q84.3@4554,4493.59 4554,4539.26 4552.86,4540.4 ; Q83.3@4765,4493.59 4765,4539.31 4763.9,4540.4 ; C231.1@4845.72,4366.62 R328.1@4764.48,4366.62 4714.51,4416.59 4714.51,4540.4 ; R327.1@4975.45,4366.62 C230.1@5056.67,4366.62 5108.24,4418.19 5108.24,4540.4 ; Q82.3@4976,4493.59 4976,4539 4977.4,4540.4 ; R326.1@5186.43,4366.62 C229.1@5267.63,4366.62 5314.13,4413.12 5314.13,4540.4 ; Q81.3@5187,4493.59 5187,4538.02 5189.38,4540.4 ; R295.1@5397.4,4366.62 C223.1@5478.59,4366.62 5521.55,4409.58 5521.55,4540.4 ; Q70.3@5398,4493.59 5398,4530.58 ; Q69.3@5609,4493.59 5609,4539.58 5608.18,4540.4 ; C222.1@5689.55,4366.62 R294.1@5608.37,4366.62 5559.23,4415.76 5559.23,4540.4 ; R293.1@5819.34,4366.62 C221.1@5900.5,4366.62 5946.53,4412.65 5946.53,4540.4 ; Q68.3@5820,4493.59 5823.53,4497.13 5823.53,4540.4 ; R292.1@6030.31,4366.62 C220.1@6111.46,4366.62 6159.85,4415.01 6159.85,4540.4 ; Q67.3@6031,4493.59 6031,4540.11 6031.29,4540.4 ; R291.1@6241.28,4366.62 C219.1@6322.42,4366.62 6361.8,4406 6361.8,4540.4 ; Q66.3@6242,4493.59 6242,4535.03 6247.37,4540.4 ; Q55.3@6453,4493.59 6453,4539.86 6453.54,4540.4 ; C213.1@6533.38,4366.62 R260.1@6452.25,4366.62 6396.64,4422.23 6396.64,4540.4 ; R259.1@6663.22,4366.62 C212.1@6744.33,4366.62 6790.59,4412.87 6790.59,4540.4 ; Q54.3@6664,4493.59 6664,4536.65 6660.25,4540.4 ; R258.1@6874.19,4366.62 C211.1@6955.29,4366.62 6994.54,4405.87 6994.54,4540.4 ; Q53.3@6875,4493.59 6875,4537.14 6871.73,4540.4 ; R257.1@7085.16,4366.62 C210.1@7166.25,4366.62 7209.28,4409.66 7209.28,4540.4 ; Q52.3@7086,4493.59 7086,4538.57 7087.83,4540.4 ; Q51.3@7297,4493.59 7297,4540 7297.4,4540.4 ; C209.1@7377.2,4366.62 R256.1@7296.13,4366.62 7249.46,4413.29 7249.46,4540.4 ; Q40.3@7508,4493.59 7508,4540.15 7508.25,4540.4 ; C203.1@7588.16,4366.62 R225.1@7507.11,4366.62 7456.56,4417.16 7456.56,4540.4 ; R224.1@7718.08,4366.62 C202.1@7799.12,4366.62 7850.74,4418.24 7850.74,4540.4 ; Q39.3@7719,4493.59 7719,4536.39 7723.01,4540.4 ; R223.1@7929.05,4366.62 C201.1@8010.08,4366.62 8055.68,4412.22 8055.68,4540.4 ; Q38.3@7930,4493.59 7930,4535.89 7934.51,4540.4 ; Q37.3@8141,4493.59 8141,4538.69 8142.71,4540.4 ; C200.1@8221.03,4366.62 R222.1@8140.02,4366.62 8093.24,4413.4 8093.24,4540.4 ; Q36.3@8352,4493.59 8352,4539.62 8351.22,4540.4 ; C199.1@8431.99,4366.62 R221.1@8350.99,4366.62 8302.63,4414.97 8302.63,4540.4 ; R190.1@8561.96,4366.62 C193.1@8642.95,4366.62 8703.38,4427.05 8703.38,4540.4 ; Q25.3@8563,4493.59 8563,4539.77 8563.63,4540.4 ; R189.1@8772.93,4366.62 C192.1@8853.91,4366.62 8898.59,4411.31 8898.59,4540.4 ; Q24.3@8774,4493.59 8774,4536.18 8778.22,4540.4 ; Q23.3@8985,4493.59 8985,4536.56 8988.84,4540.4 ; C191.1@9064.86,4366.62 R188.1@8983.9,4366.62 8933.82,4416.7 8933.82,4540.4 ; Q22.3@9196,4493.59 9196,4538.7 9194.29,4540.4 ; C190.1@9275.82,4366.62 R187.1@9194.87,4366.62 9139.83,4421.66 9139.83,4540.4 ; R186.1@9405.84,4366.62 C189.1@9486.78,4366.62 9529.25,4409.09 9529.25,4540.4 ; Q21.3@9407,4493.59 9407,4539.78 9407.62,4540.4 ; R155.1@9616.81,4366.62 C183.1@9697.73,4366.62 9750.94,4419.83 9750.94,4540.4 ; Q10.3@9618,4493.59 9618,4536.95 9621.45,4540.4 ; Q9.3@9829,4493.59 9829,4536.96 9832.44,4540.4 ; C182.1@9908.69,4366.62 R154.1@9827.79,4366.62 9803.84,4366.62 9787.44,4383.02 9787.44,4540.01 9787.05,4540.4 ; Q8.3@10031.5,4485.09 Q8.3@10032.5,4485.09 ; Q8.3@10040,4493.59 10040,4540.32 10040.08,4540.4 ; C181.1@10117.7,4366.62 R153.1@10038.76,4366.62 10036.95,4368.43 10021.67,4368.43 9996.79,4393.31 9996.79,4537.25 9999.94,4540.4 ; R152.1@10249.73,4366.62 C180.1@10326.26,4366.62 10379.34,4419.7 10379.34,4540.4 ; Q7.3@10251,4493.59 10251,4539.85 ; C179.1@10460.7,4366.62 R151.1@10534.86,4366.62 10582.91,4414.67 10582.91,4540.4 ; Q6.3@10462,4493.59 10462,4532.24 ; v1(11278.2,4372.11) 11109.91,4540.4 10582.91,4540.4 ; 672.07,4540.4 756.27,4540.4 ; 756.27,4540.4 885.24,4540.4 ; 885.24,4540.4 968.91,4540.4 ; 968.91,4540.4 1090.41,4540.4 ; 1090.41,4540.4 1176.74,4540.4 ; 1176.74,4540.4 1304.11,4540.4 ; 1304.11,4540.4 1393.6,4540.4 ; 1393.6,4540.4 1521.9,4540.4 ; 1521.9,4540.4 1603.88,4540.4 ; 1603.88,4540.4 1731.25,4540.4 ; 1731.25,4540.4 1808.13,4540.4 ; 1808.13,4540.4 1938.28,4540.4 ; 1938.28,4540.4 2030.45,4540.4 ; 2030.45,4540.4 2152.73,4540.4 ; 2152.73,4540.4 2234.16,4540.4 ; 2234.16,4540.4 2365.99,4540.4 ; 2365.99,4540.4 2440.73,4540.4 ; 2440.73,4540.4 2573.31,4540.4 ; 2573.31,4540.4 2651.8,4540.4 ; 2651.8,4540.4 2776.49,4540.4 ; 2776.49,4540.4 2867.01,4540.4 ; 2867.01,4540.4 2986.82,4540.4 ; 2986.82,4540.4 3030.07,4540.4 ; 3030.07,4540.4 3076.18,4540.4 ; 3076.18,4540.4 3283.07,4540.4 ; 3283.07,4540.4 3408.98,4540.4 ; 3408.98,4540.4 3500.17,4540.4 ; 3500.17,4540.4 3621.94,4540.4 ; 3621.94,4540.4 3705.4,4540.4 ; 3705.4,4540.4 3831.59,4540.4 ; 3831.59,4540.4 3877.54,4540.4 ; 3877.54,4540.4 3920.11,4540.4 ; 3920.11,4540.4 4133.48,4540.4 ; 4133.48,4540.4 4268.17,4540.4 ; 4268.17,4540.4 4340.89,4540.4 ; 4340.89,4540.4 4476.97,4540.4 ; 4476.97,4540.4 4552.86,4540.4 ; 4552.86,4540.4 4678.18,4540.4 ; 4678.18,4540.4 4714.51,4540.4 ; 4714.51,4540.4 4763.9,4540.4 ; 4763.9,4540.4 4977.4,4540.4 ; 4977.4,4540.4 5108.24,4540.4 ; 5108.24,4540.4 5189.38,4540.4 ; 5189.38,4540.4 5314.13,4540.4 ; 5314.13,4540.4 5521.55,4540.4 ; 5521.55,4540.4 5559.23,4540.4 ; 5559.23,4540.4 5608.18,4540.4 ; 5608.18,4540.4 5823.53,4540.4 ; 5823.53,4540.4 5946.53,4540.4 ; 5946.53,4540.4 6031.29,4540.4 ; 6031.29,4540.4 6159.85,4540.4 ; 6159.85,4540.4 6247.37,4540.4 ; 6247.37,4540.4 6361.8,4540.4 ; 6361.8,4540.4 6396.64,4540.4 ; 6396.64,4540.4 6453.54,4540.4 ; 6453.54,4540.4 6660.25,4540.4 ; 6660.25,4540.4 6790.59,4540.4 ; 6790.59,4540.4 6871.73,4540.4 ; 6871.73,4540.4 6994.54,4540.4 ; 6994.54,4540.4 7087.83,4540.4 ; 7087.83,4540.4 7209.28,4540.4 ; 7209.28,4540.4 7249.46,4540.4 ; 7249.46,4540.4 7297.4,4540.4 ; 7297.4,4540.4 7456.56,4540.4 ; 7456.56,4540.4 7508.25,4540.4 ; 7508.25,4540.4 7723.01,4540.4 ; 7723.01,4540.4 7850.74,4540.4 ; 7850.74,4540.4 7934.51,4540.4 ; 7934.51,4540.4 8055.68,4540.4 ; 8055.68,4540.4 8093.24,4540.4 ; 8093.24,4540.4 8142.71,4540.4 ; 8142.71,4540.4 8302.63,4540.4 ; 8302.63,4540.4 8351.22,4540.4 ; 8351.22,4540.4 8563.63,4540.4 ; 8563.63,4540.4 8703.38,4540.4 ; 8703.38,4540.4 8778.22,4540.4 ; 8778.22,4540.4 8898.59,4540.4 ; 8898.59,4540.4 8933.82,4540.4 ; 8933.82,4540.4 8988.84,4540.4 ; 8988.84,4540.4 9139.83,4540.4 ; 9139.83,4540.4 9194.29,4540.4 ; 9194.29,4540.4 9407.62,4540.4 ; 9407.62,4540.4 9529.25,4540.4 ; 9529.25,4540.4 9621.45,4540.4 ; 9621.45,4540.4 9750.94,4540.4 ; 9750.94,4540.4 9787.05,4540.4 ; 9787.05,4540.4 9832.44,4540.4 ; 9832.44,4540.4 9999.94,4540.4 ; 9999.94,4540.4 10040.08,4540.4 ; 10040.08,4540.4 10251.55,4540.4 10379.34,4540.4 ; 10379.34,4540.4 10582.91,4540.4
  Bottom Layer w50: 492.28,4077.01 1273.65,4077.01 2146.62,4077.01 3019.58,4077.01 3892.54,4077.01 4765.51,4077.01 5638.47,4077.01 6511.44,4077.01 7384.4,4077.01 8257.36,4077.01 9130.33,4077.01 10003.29,4077.01 10085.12,4077.01 10189.42,4077.01 10289.5,4077.01 10387.66,4077.01 10574.15,4077.01 10674.9,4077.01 10776.11,4077.01 10876.25,4077.01 11199.24,4077.01 11278.2,4155.97 v1(11278.2,4179.02) v1(11278.2,4294.88) v1(11278.2,4333.49) 11278.2,4371.73 v1@11277.82,4372.11 ; Q144.3@603.84,5889.64 603.84,5985.51 ; Q141.3@815.01,5889.64 815.01,5985.51 ; Q138.3@1026.18,5889.64 1026.18,5985.51 ; Q135.3@1237.35,5889.64 1237.35,5985.51 ; Q134.3@1448.52,5889.64 1448.52,5985.51 ; Q133.3@1659.69,5889.64 1659.69,5985.51 ; Q132.3@1870.86,5889.64 1870.86,5985.51 ; Q131.3@2082.03,5889.64 2082.03,5985.51 ; Q120.3@2293.2,5889.64 2293.2,5985.51 ; Q119.3@2504.37,5889.64 2504.37,5985.51 ; Q118.3@2715.54,5889.64 2715.54,5985.51 ; Q117.3@2926.71,5889.64 2926.71,5985.51 ; Q116.3@3137.88,5889.64 3137.88,5985.51 ; Q105.3@3349.05,5889.64 3349.05,5985.51 ; Q104.3@3560.23,5889.64 3560.23,5985.51 ; Q103.3@3771.4,5889.64 3771.4,5985.51 ; Q102.3@3982.57,5889.64 3982.57,5985.51 ; Q101.3@4193.74,5889.64 4193.74,5985.51 ; Q90.3@4404.91,5889.64 4404.91,5985.51 ; Q89.3@4616.08,5889.64 4616.08,5985.51 ; Q88.3@4827.25,5889.64 4827.25,5985.51 ; Q87.3@5038.42,5889.64 5038.42,5985.51 ; Q86.3@5249.59,5889.64 5249.59,5985.51 ; Q75.3@5460.76,5889.64 5460.76,5985.51 ; Q74.3@5671.93,5889.64 5671.93,5985.51 ; Q73.3@5883.1,5889.64 5883.1,5985.51 ; Q72.3@6094.27,5889.64 6094.27,5985.51 ; Q71.3@6305.44,5889.64 6305.44,5985.51 ; Q60.3@6516.61,5889.64 6516.61,5985.51 ; Q59.3@6727.78,5889.64 6727.78,5985.51 ; Q58.3@6938.95,5889.64 6938.95,5985.51 ; Q57.3@7150.12,5889.64 7150.12,5985.51 ; Q56.3@7361.29,5889.64 7361.29,5985.51 ; Q45.3@7572.46,5889.64 7572.46,5985.51 ; Q44.3@7783.63,5889.64 7783.63,5985.51 ; Q43.3@7994.8,5889.64 7994.8,5985.51 ; Q42.3@8205.97,5889.64 8205.97,5985.51 ; Q41.3@8417.14,5889.64 8417.14,5985.51 ; Q30.3@8628.31,5889.64 8628.31,5985.51 ; Q29.3@8839.48,5889.64 8839.48,5985.51 ; Q28.3@9050.65,5889.64 9050.65,5985.51 ; Q27.3@9261.82,5889.64 9261.82,5985.51 ; Q26.3@9472.99,5889.64 9472.99,5985.51 ; Q15.3@9684.16,5889.64 9684.16,5985.51 ; Q14.3@9895.33,5889.64 9895.33,5985.51 ; Q13.3@10106.5,5889.64 10106.5,5985.51 ; Q12.3@10317.67,5889.64 10317.67,5985.51 ; Q11.3@10528.84,5889.64 10528.84,5985.51
  other v1: 11278.2,4217.64 11278.2,4256.26 10764.37,5951.65 10802.16,5951.65 10839.96,5951.65 10877.75,5951.65 10764.37,5984.62 10802.16,5984.62 10839.96,5984.62 10877.75,5984.62 10764.93,6017.59 10802.53,6017.59 10840.14,6017.59 10877.75,6017.59 10727.32,6018.61 10727.32,6050.56 10764.93,6050.56 10802.53,6050.56 10840.14,6050.56 10877.75,6050.56